# Altium PCB Machine interlock controller.PcbDoc (continued)
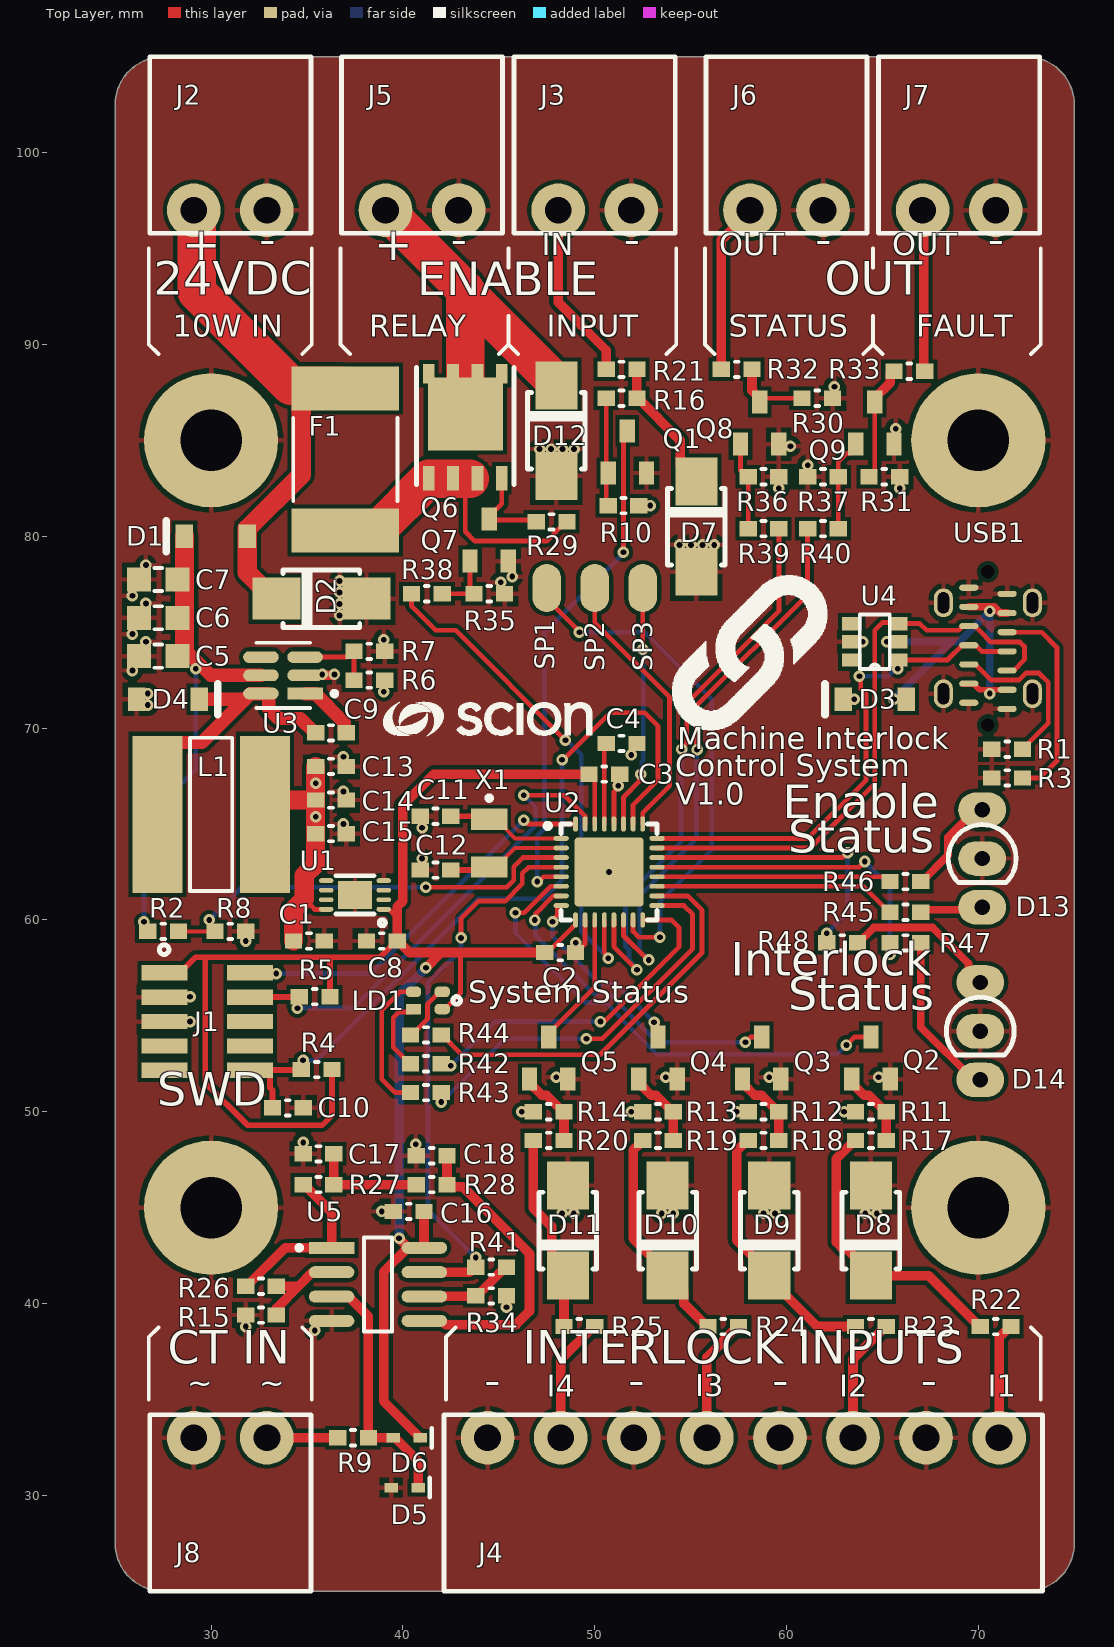
[diagram p0: Top Layer view]
## Footprints (in the part's own frame and the unit in brackets; to place one, negate y for a bottom-side part, rotate by r counter-clockwise, add the part's x,y. Pads: shape width x height; smd on the part's side, far side on the other; paste and mask are expansions set on the pad)
"2P 3.81mm Header Plugable" [mm]
  round 2.8 hole 1.4 mask+0.05: 1(-1.905,0) 2(1.905,0)
  silkscreen extent -4.2,-1.2 4.2,8, body extent -4.21,-1.2 4.21,17, height 7.71
"8P 2x3 DFN" [mm]
  oval 0.75x0.25 smd: 1(-1.5,0.75) 2(-1.5,0.25) 3(-1.5,-0.25) 4(-1.5,-0.75) 5(1.5,-0.75) 6(1.5,-0.25) 7(1.5,0.25) 8(1.5,0.75)
  rect 1.75x1.45 smd: 9(0,0)
  silkscreen extent -1.58,-1 1,1.61, body extent -1.5,-1 1.5,1, height 0.91
"8P 3.81mm Header Plugable" [mm]
  round 2.8 hole 1.4 mask+0.05: 1(-13.335,0) 2(-9.525,0) 3(-5.715,0) 4(-1.905,0) 5(1.905,0) 6(5.715,0) 7(9.525,0) 8(13.335,0)
  silkscreen extent -15.6,-1.2 15.6,8, body extent -15.64,-1.2 15.63,17, height 7.65
"32P QFN" [mm]
  oval 0.8x0.25 smd mask+0.05: 1(-2.5,1.75) 2(-2.5,1.25) 3(-2.5,0.75) 4(-2.5,0.25) 5(-2.5,-0.25) 6(-2.5,-0.75) 7(-2.5,-1.25) 8(-2.5,-1.75) 17(2.5,-1.75) 18(2.5,-1.25) 19(2.5,-0.75) 20(2.5,-0.25) 21(2.5,0.25) 22(2.5,0.75) 23(2.5,1.25) 24(2.5,1.75)
  oval 0.25x0.8 smd mask+0.05: 9(-1.75,-2.5) 10(-1.25,-2.5) 11(-0.75,-2.5) 12(-0.25,-2.5) 13(0.25,-2.5) 14(0.75,-2.5) 15(1.25,-2.5) 16(1.75,-2.5) 25(1.75,2.5) 26(1.25,2.5) 27(0.75,2.5) 28(0.25,2.5) 29(-0.25,2.5) 30(-0.75,2.5) 31(-1.25,2.5) 32(-1.75,2.5)
  rrect10% 3.6x3.6 smd mask+0.05: PAD(0,0)
  silkscreen extent -3.34,-2.5 2.5,2.54, body extent -2.5,-2.5 2.5,2.5, height 0.65
0603_CAP [mm] "SMD Capacitor 0603"
  rect 0.9x0.8 smd: 1(-0.8,0) 2(0.8,0)
  silkscreen extent -0.1,-0.4 0.1,0.4, body extent -0.8,-0.4 0.8,0.4, height 0.8
0603_RES [mm] "SMD Resistor 0603"
  rect 0.9x0.8 smd: 1(-0.8,0) 2(0.8,0)
  silkscreen extent -0.1,-0.4 0.1,0.4, body extent -0.8,-0.4 0.8,0.4, height 0.45
0805_CAP [mm] "SMD Capacitor 0805"
  rect 1.25x1.25 smd: 1(-1,0) 2(1,0)
  silkscreen extent -0.2,-0.6 0.2,0.6, body extent -1,-0.62 1,0.63, height 1.25
ABRA-ABS07-2_V [mm] "SMD, 2-Leads, Body 3.2x1.5mm"
  rect 1.1x1.9 smd: 1(-1.25,0) 2(1.25,0)
  silkscreen extent -2.47,-0.12 -2.23,0.13, body extent -1.6,-0.75 1.6,0.75, height 0.9
BOUR-SRN8040_V [mm] "SMD, 2-Leads, Body 8x8mm"
  rect 2.6x8.2 smd: 1(-2.8,0) 2(2.8,0)
  silkscreen extent -1.1,-4 1.1,4, body extent -4.01,-4 4.01,4, height 4
DIP10_1.27_M_SMD [mm] "1.27mm pitch 2 x 5 male header"
  rect 2.4x0.8 smd: 1(-2.222,2.54) 2(2.222,2.54) 3(-2.222,1.27) 4(2.222,1.27) 5(-2.222,0) 6(2.222,0) 7(-2.222,-1.27) 8(2.222,-1.27) 9(-2.222,-2.54) 10(2.222,-2.54)
  silkscreen extent -2.5,3.5 -2,4, body extent -2.75,-3.17 2.75,3.18, height 4.5
FP-0ZCF0100AF2A-MFG [mm]
  rect 2.3x5.6 smd paste+0 mask+0: 1(-3.7,0) 2(3.7,0)
  silkscreen extent -2.17,-2.72 2.17,2.72, body extent -4.95,-2.9 4.95,2.9, height 0.25
FP-C04-057-SN-IPC_A [mm]
  rect 2.377x0.622 smd paste+0 mask+0: 1(-2.418,1.905)
  rrect100% 2.377x0.622 smd paste+0 mask+0: 2(-2.418,0.635) 3(-2.418,-0.635) 4(-2.418,-1.905) 5(2.418,-1.905) 6(2.418,-0.635) 7(2.418,0.635) 8(2.418,1.905)
  silkscreen extent -4.23,-2.45 0.73,2.45, body extent -4.11,-2.95 4.11,2.95, height 0.25
FP-DDC0006A-IPC_A [mm]
  rect 1.854x0.612 smd paste+0 mask+0: 1(-1.15,0.95)
  rrect100% 1.854x0.612 smd paste+0 mask+0: 2(-1.15,0) 3(-1.15,-0.95) 4(1.15,-0.95) 5(1.15,0) 6(1.15,0.95)
  silkscreen extent -2.8,-1.7 1.4,1.7, body extent -2.58,-1.95 2.58,1.95, height 0.25
GT-USB-7090A [mm]
  oval 0.32x1 smd: A1(1.16,1) A4(2.16,1) A5(3.16,1) A6(4.16,1) A7(5.16,1) A9(6.16,1) A12(7.16,1) B1(6.84,-1) B4(5.84,-1) B5(4.84,-1) B6(3.84,-1) B7(2.84,-1) B9(1.84,-1) B12(0.84,-1)
  oval 1.5x1 hole 0.6 slot 1.1 at 0 deg: EXT_SHLD(1.63,-2.32) EXT_SHLD(1.63,2.32) EXT_SHLD(6.37,-2.32) EXT_SHLD(6.37,2.32)
  round 0 hole 0.7 unplated: ""(0,0) ""(8,0)
  body extent -0.5,-2.48 8.5,2.48, height 9.65
"LED 3mm Bi-colour-Footprint-1" [mm]
  oval 1.8x2.5 hole 0.8: 1(-2.54,0) 2(0,0) 3(2.54,0)
  silkscreen extent -1.25,-1.77 1.77,1.77, body extent -2.79,-2.02 2.79,2.02, height 6.7
LED_RGB_CA [mm] "Common Annode RGB LED"
  rect 0.8x0.55 smd: 1(-0.75,-0.45)
  rrect80% 0.8x0.55 smd: 2(-0.75,0.45) 3(0.75,0.45) 4(0.75,-0.45)
  silkscreen extent 1.3,-0.2 1.7,0.2, body extent -0.81,-0.8 0.81,0.8, height 0.35
"PowerDI 5060-8" [mm] "Power MOSFET"
  rect 0.61x1.02 smd: D(-1.905,2.73) D(-0.635,2.73) D(0.635,2.73) D(1.905,2.73)
  rect 3.91x3.81 smd: D(0,0.622)
  rect 0.61x1.27 smd: G(1.905,-2.73) S(-1.905,-2.73) S(-0.635,-2.73) S(0.635,-2.73)
  silkscreen extent -2.54,-3.05 2.54,3.05, body extent -2.57,-3.08 2.58,3.07, height 0.96
"Prog Pad 1.5 x 2.5mm" [mm]
  oval 1.5x2.5 smd: 1(0,0)
SMBJ [mm] "Transil"
  rect 2.5x2.2 smd: 1(-2.35,0) 2(2.35,0)
  silkscreen extent -2,-1.5 2,1.5, body extent -2.7,-1.85 2.7,1.85, height 2.2
SOD-123 [mil] "SOD123, 2-Leads, Body 2.7x1.6mm, Height 1.35mm"
  rect 35.98x47.99 smd: 1(64.5,0) 2(-64.5,0)
  silkscreen extent 102,-31 102,31, body extent -53,-31 53,31, height 53
SOD-523 [mm]
  rect 0.7x0.5 smd: 1(0.7,0) 2(-0.7,0)
  silkscreen extent 1.3,-0.5 1.3,0.5, body extent -0.85,-0.42 0.85,0.43, height 0.7
SOT-23 [mm]
  rect 0.8x1.2 smd: 1(-1,-1.1) 2(0,1.1) 3(1,-1.1)
  body extent -1.5,-1.42 1.5,1.42, height 1.2
TSOP-6 [mm] "TSOP-6 for NUP4304MR6"
  rect 1x0.7 smd: 1(-1.2,0.95) 2(-1.2,0) 3(-1.2,-0.95) 4(1.2,-0.95) 5(1.2,0) 6(1.2,0.95)
  silkscreen extent -0.78,-1.43 0.78,1.43, body extent -1.46,-1.49 1.46,1.51, height 1

## Part data
C1 C2 C3 C4 C5 C6 C7 C8 C9 C10 C11 C12 C13 C14 C15 C16 C17 C18: library part CMP-001-00172-2, "SMD Capacitor", Component Type=Standard, Design Item ID=Capacitor, Pins=2, Source=Discrete.SchLib
D1 D3 D4 D5 D6: library part CMP-004-00083-4, "SMD Diode", Component Type=Standard, Design Item ID=Diode, Pin Count=2, Pins=2, Source=Discrete.SchLib
D2 D7 D8 D9 D10 D11 D12: library part CMP-079-000108-2, "Transient Voltage Suppressor", Rated Voltage=33V, Component Type=Standard, Design Item ID=Transil, MFN=SMBJ33A, Pin Count=2, Source=Discrete.SchLib
D13 D14: library part CMP-004-00052-2, "Lite-on LTL1BEKVJNN", Component Type=Standard, Design Item ID=CMP-00043-1, Pin Count=3, Source="All Components - 30.06.23 - 18.27.SchLib"
F1: library part CMP-005-00014-2, "PTC Resettable Fuse 100A 0.5s 60VDC 0.09 Ohm 2-Pin 2920 T/R", Case Code (Metric)=7351, Case/Package=2920, Hold Current=1A, Max Current Rating=100A, Max Operating Temperature=85°C, Min Operating Temperature=-40°C, Trip Current=2A, Component Type=Standard, Design Item ID=CMP-00051-1, Length=0.29inch, Mount="Surface Mount", Packaging="Cut Tape", Pins=2, RoHS Compliant=Yes, Series=0ZCF, Source="All Components - 30.06.23 - 18.27.SchLib", Thickness=0.067inch, Time to Trip=500ms, Width=0.202inch
J1: library part CMP-002-00170-1, "10 Pin Connector", Component Type=Standard, Design Item ID=10_Pin, Pin Count=10, Pins=10, Source=Connectors.SchLib
J2 J3 J5 J6 J7 J8: library part CMP-002-00173-1, "2 Pin Connector", Component Type=Standard, Design Item ID=2_Pin, Pin Count=2, Pins=2, Source=Connectors.SchLib
J4: library part CMP-002-00183-2, "8 Pin Connector", Component Type=Standard, Design Item ID=8_Pin, Pin Count=8, Pins=8, Source=Connectors.SchLib
L1: library part CMP-006-00052-2, "Power Inductor", Current Rating=2.2A, Component Type=Standard, DCR=100mR, Design Item ID=Inductor, Pin Count=2, Pins=2, Source=Discrete.SchLib
LD1: library part CMP-007-00085-1, "Common Annode SMD RGB LED", Component Type=Standard, Design Item ID=LED_RGB_CA, Pins=4, Source=Discrete.SchLib
Q1 Q2 Q3 Q4 Q5 Q7 Q8 Q9: library part CMP-079-000093-2, "N Channel MOSFET", Component Type=Standard, Design Item ID=NMOS, Pin Count=3, Source=N-MOS.SchLib
Q6: library part CMP-079-000102-2, "P Channel MOSFET", Component Type=Standard, Design Item ID="PMOS GDS", Pin Count=3, Source=P-MOS.SchLib
R1 R2 R3 R4 R5 R6 R7 R8 R9 R10 R11 R12 R13 R14 R15 R16 R17 R18 R19 R20 R21 R22 R23 R24 R25 R26 R27 R28 R29 R30 R31 R32 R33 R34 R35 R36 R37 R38 R39 R40 R41 R42 R43 R44 R45 R46 R47 R48: library part CMP-009-00356-1, "SMD Resistor", Component Type=Standard, Design Item ID=Resistor, Pins=2, Source=Discrete.SchLib
SP1 SP2 SP3: library part CMP-079-000036-1, "Programmer pogo-pin interface pad (or test pad)", Component Type=Standard, Design Item ID=CMP-00044-2, Pin Count=1, Source="All Components - 30.06.23 - 18.27.SchLib"
U1: library part CMP-079-000090-2, "LDO Linear Voltage Regulator", Component Type=Standard, Design Item ID=MCP1755S, Pin Count=9, Source=Microchip.SchLib
U2: library part CMP-079-000006-3, "ATMEL         ATSAMD21E17A-MU            32 Bit Microcontroller, SAM D Series, ARM Cortex-M0+, 48 MHz, 128 KB, 16 KB, 32 Pins, QFN", Case/Package=QFN, Clock Frequency=32MHz, Frequency=48MHz, Max Operating Temperature=85°C, Max Supply Voltage=3.63V, Min Operating Temperature=-40°C, Min Supply Voltage=1.62V, Nominal Supply Voltage=3.3V, Package Shape=Square, Package Style="CHIP CARRIER, HEAT SINK/SLUG, VERY THIN PROFILEMeter", Temperature Grade=AUTOMOTIVE, Component Type=Standard, Contact Plating=Tin,Matte, Core Architecture=ARM, Data Bus Width=32b, Design Item ID=CMP-00013-1, Height - Seated (Max)=1mm, Interface=I2C,SPI,UART,USART,LIN,USB,I2S, JESD-30 Code=S-XQCC-N32, Lead Free="Lead Free", Length=5mm, Max Frequency=48MHz, Memory Size=128KB, Memory Type=FLASH, Mount="Surface Mount", Number of I/O Lines=26, Number of I/Os=26, Number of Pins=32, Number of Programmable I/O=26, Number of Timers/Counters=6, Operating Supply Voltage=3.3V, Oscillator Type=Internal, Packaging=Tray, Peripherals="Brown-out Detect/Reset,POR,PWM,WDT,DMA", Pin Count=33, Pins=32, RAM Size=16KB, REACH SVHC="No SVHC", RoHS Compliant=Yes, Source="All Components - 30.06.23 - 18.27.SchLib", Speed=48RPM, Surface Mount=Yes, Technology=CMOS, Terminal Form="No Lead", Terminal Pitch=0.5mm, Terminal Position=QUAD, Watchdog Timer=Yes, Width=5mm
U3: library part CMP-079-000005-5, "7-40VDC-DC buck converter", Case/Package=SOT-23-6, Max Input Voltage=40V, Max Operating Temperature=125°C, Min Input Voltage=4V, Min Operating Temperature=-40°C, Min Output Voltage=765mV, Output Current=1A, Switching Frequency=850kHz, Component Type=Standard, Design Item ID=CMP-00007-1, Features=UVLO, Max Output Voltage=40V, Mount="Surface Mount", Number of Outputs=1, Output Configuration=Positive, Output Type=Adjustable, Packaging="Cut Tape", Pin Count=6, Source="All Components - 30.06.23 - 18.27.SchLib", Synchronous Rectifier=No
U4: library part CMP-079-000096-2, "ESD Protection Doide Array", Component Type=Standard, Design Item ID=NUP4304MR6, Pin Count=6, Source="ON Semi.SchLib"
U5: library part CMP-06302-000285-1, "IC OPAMP GP 2 CIRCUIT 8SOIC", RoHS Compliant=Yes
USB1: library part CMP-079-000004-3, "Vertical or RA Type C Usb Connector Rohs Compliant: Yes", Component Type=Standard, Design Item ID=CMP-00005-5, Pin Count=26, Source="All Components - 30.06.23 - 18.27.SchLib"
X1: library part CMP-003-00061-3, "Low Profile Crystal, 32.768 kHz, +/- 20 ppm, 12.5 pF, -40 to 85 degC, 2-Pin SMD, Pb-Free, Tape and Reel", Case/Package=CSMD, Frequency=32.768kHz, Frequency Tolerance=20ppm, Load Capacitance=12.5pF, Manufacturer=Abracon, Max Operating Temperature=85°C, Min Operating Temperature=-40°C, Package Description="2-Pin Surface Mount Device, Body 3.2 x 1.5 mm", Package Quantity=3000, Package Reference=ABS07-2, Component Type=Standard, Datasheet URL=http://www.abracon.com/Resonators/ABS07.pdf, Datasheet Version=Aug-15, Design Item ID=CMP-003-00022-1, ESR=70k, Manufacturer URL=http://www.abracon.com/, Mounting Technology=SM, Package URL=http://www.abracon.com/Support/PackageDrawing/Resonators/ABS07.PDF, Packaging=TapeandReel, Pins=2, RoHS Compliant=True, Source="All Components - 30.06.23 - 18.27.SchLib", Tolerance=20ppm

## Free pads (board coordinates)
  round 7 hole 3.2: ""(30,45) ""(30,85) ""(70,45) ""(70,85)

## Via types
v1: diameter 0.6, hole 0.3, Top Layer to Bottom Layer, tented both sides, 117 vias

## Nets (pads, with @x,y where several pads share a name; then routed paths per layer and width w, separated by ;. In a path a pad name is that pad's centre, name@x,y a point inside that pad or via, vN(x,y) a via of type N, cw(c..) or ccw(c..) an arc to the next point about the centre after c; other vN are vias at no path point)
+3V3: C2.1 C3.1 C8.1 C16.1 D6.1 J1.1 LD1.4 R4.1 R5.1 U1.1 U2.9 U2.30 U5.8 | length 97.1
  Top Layer w0.25: U1.1 39.25,60.55 39.7,60.1 ; LD1.4 42.175,55.35 43,56.175 43,58.3 ; C2.1 47.65,58.55 47.775,58.55 49,59.775 U2.9 ; C3.1@49.8,67.6 50,67.4 U2.30
  Top Layer w0.3: J1.1 28.377,57.24 29.187,58.05 29.8,58.05 ; R5.1 36.2,58.05 ; R4.1 36.3,49.8 35.8,49.3 31.9,49.3 31.801,49.399 29.7,51.5 29.7,57.95 29.8,58.05 ; C8.1 39.65,58.9 38.8,58.05 36.2,58.05 ; 29.8,58.05 36.2,58.05
  Top Layer w0.5: v1(39.8,43.4) U5.8@40.295,42.905 ; D6.1 40.8,33 40.8,33.1 39,34.9 39,41.665 40.24,42.905 U5.8@40.295,42.905 ; U5.8@41.081,42.942 41.1,42.961 C16.1 ; U5.8 U5.8@40.295,42.905 ; v1(41.2,57.5) 42,58.3 ; C2.1 43,58.3 42,58.3 ; C3.1@49.8,67.6 41.614,67.6 39.982,65.968 39.982,60.969 39.7,60.687 39.7,60.1 C8.1 39.75,58.9 40.35,58.3 42,58.3
  Bottom Layer w0.5: v1(39.8,43.4) 39.8,56.1 v1(41.2,57.5)
+5V: C1.1 C13.1 C14.1 C15.1 D3.1 L1.2 R6.2 R10.1 R11.1 R12.1 R13.1 R14.1 U1.8 | length 13.9
  Top Layer w0.25: 34.854,61.088 35.392,60.55 U1.8
  Top Layer w1: L1.2 33.55,66.25 C14.1 ; C1.1 34.3,60.534 34.854,61.088 34.854,62.321 35.45,62.917 C15.1 v1(35.45,65.375) C14.1 ; C13.1 C14.1
  other v1: 46.2,50 51.9,50 57.4,50 63,50 35.45,67.125 63.525,71.5 39,71.9 52.9,81.6
+VIN: C5.1 C6.1 C7.1 D1.1 R2.1 U3.5 | length 25.3
  Top Layer w0.25: v1(26.5,59.9) 26.5,59.6 R2.1
  Top Layer w0.7: C5.1@28.612,74.112 29.973,72.75 U3.5
  Top Layer w1: C5.1@28.612,74.112 D1.1
  Bottom Layer w0.25: v1(26.5,59.9) 26.5,65.15 29.2,67.85 v1(29.2,73.1)
+VPS: D1.2 D2.2 F1.2 J2.1 | length 28
  Top Layer w1: D2.2 33.25,76.75 31.888,78.112 D1.2 31.888,80.388 34.7,83.2 F1.2@34.7,87.05 ; F1.2@35.35,87.7 F1.2
  Top Layer w2: J2.1 29.248,96.847 29.248,92.752 34.15,87.85 36.85,87.85 F1.2
CONTACTOR_+24V: D12.2 J5.1 Q6.D | length 19.2
  Top Layer w2: J5.1 43.25,92.845 43.25,92.75 ; Q6.D@43.25,86.372 43.25,92.75 ; D12.2 48,88 43.25,92.75
CONTACTOR_GATE: R38.2 U2.12 | length 26
  Top Layer w0.25: R38.2 40.45,76.35 41.7,75.1 42.743,75.1 v1(48.472,69.37) ; U2.12 50.5,58.295 50.7,58.095 v1(50.7,58)
  Bottom Layer w0.25: v1(48.472,69.37) 48.53,69.37 49.3,68.6 49.3,59.4 v1(50.7,58)
CT_ADC_IN: R41.2 U2.4 U5.7 | length 28.9
  Top Layer w0.25: v1(43.034,59.063) 43.034,60.084 43.932,60.982 45.328,60.982 46.225,61.879 46.225,62.425 46.55,62.75 U2.4
  Top Layer w0.5: U5.7 43.485,41.635 43.75,41.9 R41.2
  Bottom Layer w0.25: v1(43.034,59.063) 43.034,58.45 41.3,56.716 41.3,44.9 v1(43.8,42.4)
CT_IN: J8.1 R9.2 | length 3.7
  Top Layer w0.5: J8.1 R9.2
ENABLE_IN: J3.1 R21.2 | length 9.3
  Top Layer w0.5: J3.1 48.095,92.205 50.6,89.7 R21.2
ENABLE_IN_DRAIN: Q1.2 U2.5 | length 26.8
  Top Layer w0.25: v1(47,62) 47.095,62 47.345,62.25 U2.5 ; v1(51.494,79.17) 51.494,85.294 Q1.2
  Bottom Layer w0.25: v1(47,62) 47,64.38 47.375,64.755 47.375,74.975 51.494,79.094 v1(51.494,79.17)
GND: C1.2 C2.2 C3.2 C4.2 C5.2 C6.2 C7.2 C8.2 C10.1 C11.1 C12.2 C13.2 C14.2 C15.2 C16.2 C17.2 C18.2 D2.1 D4.2 D5.2 D7.1 D8.1 D9.1 D10.1 D11.1 D12.1 D13.2 D14.2 J1.3 J1.5 J2.2 J3.2 J4.2 J4.4 J4.6 J4.8 J5.2 J6.2 J7.2 J8.2 pad. Q1.3 Q2.3 Q3.3 Q4.3 Q5.3 Q7.3 Q8.3 Q9.3 R1.2 R3.2 R7.2 R8.2 R15.2 R30.2 R31.2 R34.1 R35.1 R36.1 R37.1 U1.4 U1.9 U2.10 U2.28 U2.PAD U3.2 U4.5 U5.4 USB1.A1 USB1.A12 USB1.B1 USB1.B12 USB1.EXT_SHLD | length 6.5
  Top Layer w0.25: C2.2 49.05,58.3 49.5,58.75 U2.10 ; U2.28 51,66.68 51.225,66.905 v1(51.225,67) v1@51.05,67 ; v1@51.075,67.025 51.075,67.325 51.35,67.6 C3.2@51.4,67.6
  Top Layer w0.5: U3.2 36.377,72.75 ccw(c36.377,72.8) v1(36.427,72.8)
  other v1: 35.4,38.6 31.8,38.8 45.4,39.8 48.3,44.7 48.9,44.7 53.5,44.7 54.1,44.7 58.8,44.7 59.4,44.7 64.1,44.7 64.7,44.7 38.9,44.8 40.675,48.3 34.8,48.4 48,51.8 53.7,51.8 59.1,51.8 64.8,51.8 28.9,54.7 28.9,56 49.008,58.808 31.8,58.9 50.75,62.5 41,63.2 41,64.8 36.9,65 36.9,66.7 36.9,68.5 51.9,68.6 26.7,71.2 26.7,71.8 35.8,72.8 25.9,73 26.6,74.5 63.975,74.5 39,74.6 25.9,74.9 36.7,75.875 36.7,76.475 26.6,76.5 25.9,76.9 36.7,77.075 45.1,77.6 36.7,77.675 45.7,77.9 26.6,78.5 54.425,79.55 55.025,79.55 55.625,79.55 56.225,79.55 59.6,82.5 65.9,82.5 61.1,83.7 47.125,84.55 47.725,84.55 48.325,84.55 48.925,84.55 60.2,84.7 65.7,85.6 62.5,87.8
INTERLOCK_IN_1: J4.1 R22.2 | length 6.1
  Top Layer w0.5: J4.1 71.085,38.235 71.65,38.8 R22.2
INTERLOCK_IN_2: J4.3 R23.2 | length 6.5
  Top Layer w0.5: J4.3 63.465,37.115 65.15,38.8 R23.2
INTERLOCK_IN_3: J4.5 R24.2 | length 6.5
  Top Layer w0.5: J4.5 55.845,37.195 57.45,38.8 R24.2
INTERLOCK_IN_4: J4.7 R25.2 | length 6.6
  Top Layer w0.5: J4.7 48.225,37.075 49.95,38.8 R25.2
"INTERLOCK_IN_DRAIN _1": Q2.2 U2.6 | length 25.5
  Top Layer w0.25: v1(45.865,60.377) 46.329,60.377 47.702,61.75 U2.6 ; v1(63.121,53.474) 63.547,53.9 Q2.2
  Bottom Layer w0.25: v1(45.865,60.377) 45.865,59.335 49.5,55.7 50.564,55.7 51.232,55.032 51.232,55.008 53.24,53 62.641,53 63.115,53.474 v1(63.121,53.474)
"INTERLOCK_IN_DRAIN _2": Q3.2 U2.7 | length 17.1
  Top Layer w0.25: v1(46.879,59.995) 46.946,60.062 46.946,60.357 47.839,61.25 U2.7 ; v1(57.859,53.625) 57.864,53.625 58.139,53.9 Q3.2
  Bottom Layer w0.25: v1(46.879,59.995) 46.905,59.968 46.905,59.195 49.95,56.15 50.75,56.15 51.9,55 51.9,54.977 53.257,53.62 57.854,53.62 v1(57.859,53.625)
"INTERLOCK_IN_DRAIN _3": Q4.2 U2.8 | length 9.9
  Top Layer w0.25: v1(47.8,59.9) 47.8,59.995 48.055,60.25 48.055,60.75 U2.8 ; v1(53.095,54.665) 53.3,54.461 Q4.2
  Bottom Layer w0.25: v1(47.8,59.9) 47.8,59.132 50.292,56.641 51.12,56.641 v1(53.095,54.665)
"INTERLOCK_IN_DRAIN _4": Q5.2 U2.11 | length 7.1
  Top Layer w0.25: Q5.2 47.6,54.1 50,56.5 U2.11
LED_ENABLE_G: R48.1 U2.22 | length 14.7
  Top Layer w0.25: U2.22 62.923,63.25 v1(63.182,63.509)
  Bottom Layer w0.25: v1(62.1,59.3) 63.182,60.382 v1(63.182,63.509)
LED_ENABLE_R: R47.1 U2.21 | length 16.3
  Top Layer w0.25: U2.21 63.778,62.75 v1(64.073,63.045)
  Bottom Layer w0.25: v1(64.073,63.045) 65.4,61.718 v1(65.4,58.2)
LED_INTERLOCK_G: R46.1 U2.20 | length 12.3
  Top Layer w0.25: U2.20 65.15,62.25 R46.1
LED_INTERLOCK_R: R45.1 U2.19 | length 12.7
  Top Layer w0.25: U2.19 64,61.75 65.35,60.4 R45.1
LED_STATUS_B: R44.1 U2.18 | length 21.1
  Top Layer w0.25: R44.1 42.05,54 43.075,52.975 50.275,52.975 55.6,58.3 55.6,60.5 54.85,61.25 U2.18
LED_STATUS_G: R43.1 U2.17 | length 20.3
  Top Layer w0.25: v1(49.567,53.807) 49.574,53.8 50.4,53.8 55.1,58.5 55.1,60.3 54.65,60.75 U2.17
  Bottom Layer w0.25: v1(42,50.5) 45.307,53.807 v1(49.567,53.807)
LED_STATUS_R: R42.1 U2.16 | length 17.5
  Top Layer w0.25: v1(50.3,54.7) 50.5,54.7 54.4,58.6 54.4,59.6 54,60 U2.16
  Bottom Layer w0.25: v1(42.5,52.4) 44.8,54.7 v1(50.3,54.7)
NetC4_1: C4.1 U2.29 | length 4.2
  Top Layer w0.25: U2.29 50.5,69.1 C4.1
NetC9_1: C9.1 D4.1 L1.1 U3.6 | length 15.9
  Top Layer w0.7: L1.1@27.25,65.75 27.25,68.35 28.15,69.25 28.56,69.25 29.516,69.25 31.766,71.5 ; D4.1 31.766,71.5 ; C9.1 35.4,69.75 34.65,70.5 33.5,70.5 33,71 33,71.756 32.956,71.8 U3.6 32.066,71.8 31.766,71.5
NetC9_2: C9.2 U3.1 | length 3.3
  Top Layer w0.7: U3.1 35.434,71.8 36.95,70.284 36.95,69.8 37,69.75 C9.2
NetC11_2: C11.2 U2.1 X1.1 | length 6
  Top Layer w0.2: X1.1 44.9,65.25 45.35,64.8 45.35,64.75 45.85,64.25 U2.1
  Top Layer w0.3: C11.2 X1.1@44.35,65.4
NetC12_1: C12.1 U2.2 X1.2 | length 6
  Top Layer w0.2: X1.2 44.9,62.75 45.35,63.2 45.35,63.25 45.85,63.75 U2.2
  Top Layer w0.3: C12.1 X1.2@44.35,62.6
NetC17_1: C17.1 R27.2 R28.1 | length 5.9
  Top Layer w0.5: C17.1 R27.2 R28.1
NetC18_1: C18.1 R28.2 U5.5 | length 16.1
  Top Layer w0.5: U5.5 42.028,39.095 42.223,38.9 45.9,38.9 46.6,39.6 46.6,42.6 43.105,46.095 42.405,46.095 R28.2 C18.1
NetD5_1: D5.1 D6.2 R9.1 U5.3 | length 13.2
  Top Layer w0.5: U5.3 37.16,40.365 38.2,39.325 R9.1 D6.2 39.6,33 40.8,31.8 D5.1
NetD7_2: D7.2 R16.2 R21.1 | length 7.2
  Top Layer w0.5: R21.1 R16.2 52.25,87.2 54.45,85 54.45,83.7 D7.2
NetD8_2: D8.2 R17.2 R22.1 | length 15.2
  Top Layer w0.5: R17.2 63.55,48.5 62.6,47.55 62.6,43.2 62.954,42.846 63.154,42.846 64.4,41.6 D8.2 67.4,41.45 70.05,38.8 R22.1
NetD9_2: D9.2 R18.2 R23.1 | length 13.7
  Top Layer w0.5: R18.2 57.95,48.5 57.4,47.95 57.4,43.3 59.1,41.6 D9.2 59.1,41.3 61.6,38.8 R23.1
NetD10_2: D10.2 R19.2 R24.1 | length 11.6
  Top Layer w0.5: R19.2 52.45,48.5 52.3,48.35 52.3,48.3 52,48 52,43.4 53.8,41.6 D10.2 54.65,40.6 54.65,40 55.85,38.8 R24.1
NetD11_2: D11.2 R20.2 R25.1 | length 10.5
  Top Layer w0.5: R20.2 46.8,44.964 47.75,44.014 47.75,42.3 D11.2 48.4,41.25 R25.1
NetD13_1: D13.1 R45.2 | length 3.3
  Top Layer w0.4: R45.2 67.13,60.53 70.07,60.53 D13.1
NetD13_3: D13.3 R46.2 | length 5.3
  Top Layer w0.4: R46.2 67.05,62 68.416,63.366 68.416,64.306 69.85,65.74 D13.3
NetD14_1: D14.1 R47.2 | length 8.6
  Top Layer w0.4: R47.2 67,54.41 69.75,51.66 D14.1
NetD14_3: D14.3 R48.2 | length 8.1
  Top Layer w0.4: R48.2 63.75,58.8 64.55,59.6 67.616,59.6 69.482,57.734 69.482,57.358 D14.3
NetF1_1: F1.1 Q6.S R29.1 | length 16.4
  Top Layer w0.25: 43.5,83 43.25,82.75 43.25,80.25 43.75,79.75 47.5,79.75 48.5,80.75 R29.1
  Top Layer w2: F1.1 38.65,80.3 41.35,83 43.5,83
NetLD1_1: LD1.1 R42.2 | length 4
  Top Layer w0.25: R42.2 40.35,52.5 39.5,53.35 39.5,54.9 39.8,55.2 40.4,55.2 LD1.1
NetLD1_2: LD1.2 R43.2 | length 7.4
  Top Layer w0.25: R43.2 39.6,51 38.9,51.7 38.9,55.3 39.85,56.25 LD1.2
NetLD1_3: LD1.3 R44.2 | length 3
  Top Layer w0.25: R44.2 40.45,54 41.275,54.825 41.275,55.6 41.925,56.25 LD1.3
NetQ1_1: Q1.1 R10.2 R16.1 | length 5.6
  Top Layer w0.25: R16.1 50.6,81.7 R10.2
NetQ2_1: Q2.1 R11.2 R17.1 | length 4.1
  Top Layer w0.5: Q2.1 63.4,51.5 64.043,50.857 64.293,50.857 65.15,50 R11.2 R17.1
NetQ3_1: Q3.1 R12.2 R18.1 | length 4.2
  Top Layer w0.5: Q3.1 57.7,51.5 58.343,50.857 58.693,50.857 59.55,50 R12.2 R18.1
NetQ4_1: Q4.1 R13.2 R19.1 | length 4.1
  Top Layer w0.5: Q4.1 52.3,51.5 52.943,50.857 53.193,50.857 54.05,50 R13.2 R19.1
NetQ5_1: Q5.1 R14.2 R20.1 | length 4.1
  Top Layer w0.5: Q5.1 46.6,51.5 47.243,50.857 47.493,50.857 48.35,50 R14.2 R20.1
NetQ6_G: Q6.G Q7.2 R29.2 | length 4.9
  Top Layer w0.25: Q6.G 45.155,81.705 44.5,81.05 44.5,80.85 46.85,80.85 R29.2
NetQ7_1: Q7.1 R35.2 R38.1 | length 3.4
  Top Layer w0.25: R38.1 R35.2 43.5,77.2 Q7.1@43.5,78.65
NetQ8_1: Q8.1 R36.2 R39.1 | length 4.6
  Top Layer w0.25: Q8.1 57.6,83.45 58,83.05 R39.1
NetQ8_2: Q8.2 R30.1 R32.2 | length 4.1
  Top Layer w0.25: Q8.2 58.8,87.2 R30.1
  Top Layer w0.5: R32.2 58.2,87.6 58.6,87.2 Q8.2
NetQ9_1: Q9.1 R37.2 R40.1 | length 4.9
  Top Layer w0.25: R40.1 R37.2 62.7,83.875 63.15,84.325 63.325,84.325 63.6,84.6 Q9.1
NetQ9_2: Q9.2 R31.1 R33.2 | length 6.1
  Top Layer w0.25: R31.1 64.325,83.1 64.6,83.375 Q9.2
  Top Layer w0.5: Q9.2 64.6,87.2 65.4,88 65.4,88.45 65.55,88.6 R33.2
NetR1_1: R1.1 USB1.A5 | length 8.9
  Top Layer w0.25: USB1.A5 69.84,73.32 70.645,72.515 72.128,72.515 72.478,72.865 73.162,72.865 73.645,72.382 73.645,70.245 72.625,69.225 72.625,69.175 72.35,68.9 R1.1
NetR3_1: R3.1 USB1.B5 | length 11
  Top Layer w0.25: USB1.B5 73.3,75 74.1,74.2 74.1,68.3 73.2,67.4 R3.1
NetR6_1: R6.1 R7.1 U3.3 | length 4.2
  Top Layer w0.25: U3.3 37.1,73.7 37.4,74 R7.1 R6.1
NetR15_1: R15.1 R26.1 U5.2 | length 5.2
  Top Layer w0.5: R15.1 33.4,39.75 34.55,40.9 ; R26.1 34.55,40.9 ; U5.2 36.259,41.612 35.262,41.612 34.55,40.9
NetR26_2: R26.2 R27.1 U5.1 | length 9.3
  Top Layer w0.5: R26.2 31.85,40.9 33.855,42.905 U5.1 36.282,44.768 34.85,46.2 R27.1
NetR34_2: R34.2 R41.1 U5.6 | length 4.9
  Top Layer w0.5: U5.6 41.135,40.382 43.782,40.382 R34.2 43.85,40.4 45.35,41.9 R41.1
OUT_1: J6.1 R32.1 | length 8.9
  Top Layer w0.5: R32.1 56.6,95.454 58.095,96.949 J6.1
OUT_2: J7.1 R33.1 | length 8.4
  Top Layer w0.5: J7.1 67.147,96.947 67.147,88.652 R33.1
OUTPUT_GATE_1: R39.2 U2.13 | length 29.7
  Top Layer w0.25: U2.13 51,58.6 v1(52.2,57.4) ; v1(54.525,68.9) 54.525,68.946 54.8,69.221 54.8,71.3 59.6,76.1 R39.2
  Bottom Layer w0.25: v1(52.2,57.4) 52.2,57.495 51.779,57.915 51.779,58.441 51.6,58.62 51.6,61.164 54.5,64.064 54.5,68.875 v1(54.525,68.9)
OUTPUT_GATE_2: R40.2 U2.14 | length 29
  Top Layer w0.25: U2.14 51.5,59.186 52.773,57.912 v1(52.815,57.912) ; v1(55.336,68.878) 55.3,68.914 55.3,71.164 61.1,76.964 R40.2
  Bottom Layer w0.25: v1(52.815,57.912) 52.815,57.926 52.343,58.397 52.343,61.27 55.3,64.227 55.3,68.843 v1(55.336,68.878)
R\E\S\E\T\: C10.2 J1.10 R4.2 U2.26 | length 41.2
  Top Layer w0.25: R4.2@34.68,52.18 R4.2@34.73,52.18 ; v1(48.3,68.35) 48.35,68.35 50.8,70.8 52.6,70.8 53.3,70.1 53.3,67.3 52,66 U2.26
  Top Layer w0.3: C10.2 33.2,51.116 33.072,51.244 33.072,51.91 32.822,52.16 J1.10 32.042,52.18 R4.2@34.68,52.18
  Bottom Layer w0.25: v1(34.793,52.688) 35.504,52.688 43.916,61.1 47.3,61.1 48.3,62.1 v1(48.3,68.35)
SPARE_1: SP1.1 U2.15 | length 27
  Top Layer w0.25: SP1.1 47.5,76.75 49.2,75.05 v1(49.2,75) ; U2.15 52,59.4 52.3,59.1 v1(53.4,59.1)
  Bottom Layer w0.25: v1(49.2,75) 52.6,75 56.1,71.5 56.1,63.647 53.4,60.947 v1(53.4,59.1)
SPARE_2: SP2.1 U2.25 | length 14.5
  Top Layer w0.25: SP2.1 50,75.5 53.9,71.6 53.9,66.991 52.5,65.591 U2.25
SPARE_3: SP3.1 U2.27 | length 12.7
  Top Layer w0.25: U2.27 51.5,66.391 52.333,67.224 52.333,67.533 v1(52.4,67.6) ; v1(52.5,74.1) SP3.1
  Bottom Layer w0.25: v1(52.4,67.6) 52.459,67.659 52.459,68.275 52.525,68.341 52.525,74.075 v1(52.5,74.1)
SWCLK: J1.4 R5.2 U2.31 | length 24.8
  Top Layer w0.25: v1(46.3,66.5) 48.411,66.5 49.5,65.411 U2.31
  Top Layer w0.3: J1.4 32.038,55.985 34.585,55.985 R5.2
  Bottom Layer w0.25: v1(34.5,55.4) 37.384,55.4 46.925,64.941 46.925,65.875 v1(46.3,66.5)
SWDIO: J1.2 U2.32 | length 19
  Top Layer w0.25: v1(46.3,65.2) 46.5,65 U2.32
  Bottom Layer w0.25: v1(33.4,57.2) 38.3,57.2 v1(46.3,65.2)
USB_D_N: U2.23 U4.3 USB1.A7 USB1.B7 | length 30.9
  Top Layer w0.25: U2.23 61.25,63.75 64.6,67.1 64.6,75.1 65,75.5 65.75,75.5 U4.3 66.95,75.45 67.3,75.1 68.979,75.1 69.125,75.246 69.125,75.266 69.179,75.32 USB1.A7 ; USB1.A7@69.821,75.32 70.124,75.017 70.656,74.485 72.169,74.485 72.4,74.254 72.4,73.56 71.84,73 USB1.B7
USB_D_P: U2.24 U4.1 USB1.A6 USB1.B6 | length 26
  Top Layer w0.25: U2.24 61.114,64.25 64.15,67.286 64.15,71.759 63.867,72.042 63.867,72.633 v1(63.8,72.7) ; U4.1 68.39,73.55 69.16,74.32 USB1.A6 69.859,74.32 70.179,74 USB1.B6
  Bottom Layer w0.25: v1(63.8,72.7) 65.305,72.7 65.705,73.1 v1(65.8,73.1)
V_SUPPLY_FB: R2.2 R8.1 U2.3 | length 22
  Top Layer w0.2: R2.2 R8.1
  Top Layer w0.25: v1(41.2,61.7) 45.41,61.7 45.775,62.065 45.775,62.775 46.25,63.25 U2.3
  Bottom Layer w0.25: v1(29.9,60) 31.6,61.7 v1(41.2,61.7)
VBUS: D3.2 U4.2 USB1.A4 USB1.A9 USB1.B4 USB1.B9 | length 19.1
  Top Layer w0.3: USB1.A4@69.2,72.3 69.758,72.3 70.058,72 USB1.B9
  Top Layer w0.4: USB1.A9 70.821,76.32 71.141,76 USB1.B4
  Bottom Layer w0.4: v1(65.225,74.5) 68.6,74.5 ; v1(65.6,71.5) 68.6,74.5 ; v1(70.6,71.8) v1(70.6,76.1) 69,74.5 68.6,74.5
pads on no net: J1.6 J1.7 J1.8 J1.9 U1.2 U1.3 U1.5 U1.6 U1.7 U3.4 U4.4 U4.6 USB1.

## Polygon pours and split planes (outlines as drawn)
GND on Bottom Layer "GND_L04_P000" (solid, pour order 0): 27.5,25 cw(c27.5,27.5) 25,27.5 25,102.5 cw(c27.5,102.5) 27.5,105 72.5,105 cw(c72.5,102.5) 75,102.5 75,27.5 cw(c72.5,27.5) 72.5,25
GND on Top Layer "GND_L01_P001" (solid, pour order 1): 27.5,25 cw(c27.5,27.5) 25,27.5 25,102.5 cw(c27.5,102.5) 27.5,105 72.5,105 cw(c72.5,102.5) 75,102.5 75,27.5 cw(c72.5,27.5) 72.5,25
+5V on Int2 (PWR) (split plane): 27.5,104.49 72.5,104.49 72.516,104.491 72.695,104.482 72.889,104.454 73.078,104.406 73.262,104.34 73.439,104.257 73.607,104.156 73.764,104.04 73.908,103.908 74.04,103.764 74.156,103.607 74.257,103.439 74.34,103.262 74.406,103.078 74.454,102.889 74.482,102.695 74.491,102.516 74.49,102.5 74.49,27.5 74.491,27.484 74.482,27.305 74.454,27.111 74.406,26.922 74.34,26.738 74.257,26.561 74.156,26.393 74.04,26.236 73.908,26.092 73.764,25.96 73.607,25.844 73.439,25.743 73.262,25.66 73.078,25.594 72.889,25.546 72.695,25.518 72.516,25.509 72.5,25.51 27.5,25.51 27.484,25.509 27.305,25.518 27.111,25.546 26.922,25.594 26.738,25.66 26.561,25.743 26.393,25.844 26.236,25.96 26.092,26.092 25.96,26.236 25.844,26.393 25.743,26.561 25.66,26.738 25.594,26.922 25.546,27.111 25.518,27.305 25.509,27.484 25.51,27.5 25.51,102.5 25.509,102.516 25.518,102.695 25.546,102.889 25.594,103.078 25.66,103.262 25.743,103.439 25.844,103.607 25.96,103.764 26.092,103.908 26.236,104.04 26.393,104.156 26.561,104.257 26.738,104.34 26.922,104.406 27.111,104.454 27.305,104.482 27.484,104.491
GND on Int1 (GND) (split plane): 27.5,104.49 72.5,104.49 72.516,104.491 72.695,104.482 72.889,104.454 73.078,104.406 73.262,104.34 73.439,104.257 73.607,104.156 73.764,104.04 73.908,103.908 74.04,103.764 74.156,103.607 74.257,103.439 74.34,103.262 74.406,103.078 74.454,102.889 74.482,102.695 74.491,102.516 74.49,102.5 74.49,27.5 74.491,27.484 74.482,27.305 74.454,27.111 74.406,26.922 74.34,26.738 74.257,26.561 74.156,26.393 74.04,26.236 73.908,26.092 73.764,25.96 73.607,25.844 73.439,25.743 73.262,25.66 73.078,25.594 72.889,25.546 72.695,25.518 72.516,25.509 72.5,25.51 27.5,25.51 27.484,25.509 27.305,25.518 27.111,25.546 26.922,25.594 26.738,25.66 26.561,25.743 26.393,25.844 26.236,25.96 26.092,26.092 25.96,26.236 25.844,26.393 25.743,26.561 25.66,26.738 25.594,26.922 25.546,27.111 25.518,27.305 25.509,27.484 25.51,27.5 25.51,102.5 25.509,102.516 25.518,102.695 25.546,102.889 25.594,103.078 25.66,103.262 25.743,103.439 25.844,103.607 25.96,103.764 26.092,103.908 26.236,104.04 26.393,104.156 26.561,104.257 26.738,104.34 26.922,104.406 27.111,104.454 27.305,104.482 27.484,104.491

## Silkscreen, mask and mechanical layers (free items; w line width, h text height)
Top Overlay:
  drawing of 41 lines, arcs and shapes, not listed
  text "IN" at 47.25,94.25 h2
  text "OUT" at 56.5,94.267 h2
  text "OUT" at 65.5,94.267 h2
  text "-" at 32.5,94.109 h3
  text "-" at 42.5,94.109 h3
  text "-" at 51.5,94.109 h3
  text "-" at 61.5,94.109 h3
  text "-" at 70.5,94.109 h3
  text "+" at 28.5,93.806 h3
  text "+" at 38.5,93.806 h3
  text "24VDC" at 27,92.025 h3
  text "OUT" at 62,92.025 h3
  text "ENABLE" at 40.75,92 h3
  text "10W IN" at 28,90.017 h2
  text "INPUT" at 47.5,90.017 h2
  text "STATUS" at 57,90.017 h2
  text "FAULT" at 66.75,90.017 h2
  text "RELAY" at 38.25,90 h2
  text "Machine Interlock" at 54.3,68.517 h2
  text "Control System" at 54.2,67.098 h2
  text "V1.0" at 54.2,65.617 h2
  text "Enable" at 59.8,64.725 h3
  text "Status" at 60.1,62.925 h3
  text "Interlock" at 57.1,56.525 h3
  text "System Status" at 43.4,55.298 h2
  text "Status" at 60.1,54.725 h3
  text "SWD" at 27.2,49.725 h3
  text "CT IN" at 27.75,36.275 h3
  text "INTERLOCK INPUTS" at 46.25,36.275 h3
  text "~" at 28.75,34.909 h2
  text "~" at 32.5,34.909 h2
  text "I3" at 55.25,34.767 h2
  text "I4" at 47.5,34.75 h2
  text "I2" at 62.75,34.75 h2
  text "I1" at 70.5,34.75 h2
  text "-" at 44.25,34.609 h3
  text "-" at 51.75,34.609 h3
  text "-" at 59.25,34.609 h3
  text "-" at 67,34.609 h3
Bottom Overlay:
  drawing of 11 lines, arcs and shapes, not listed